# Allegro board gps_interface_boardv47ph.brd (continued)
## Routing (per net, layer and track width the routed paths; a pad name or vN(x,y) marks a point on that pad's centre or on a via; arc(x,y) is an arc through that point) (continued)
N224436: length 152.2
  TOP w0.203: v1(208.61,121.97) 208.67,121.97 208.87,121.77 J19.8 ; v1(210.95,31.17) 213.44,28.68 213.44,16.41 214.65,15.19 U53.19
  SIG w0.165: v1(208.61,121.97) 208.61,122.1 209.27,122.76 212.34,122.76 212.85,122.25 212.85,121.34 213.11,121.08 219.28,121.08 220.09,120.27 220.09,112.42 218.82,111.15 205.54,111.15 201.22,106.83 201.22,104.72 202.62,103.33 202.62,100.94 201.55,99.87 201.55,84.94 v1(199.82,83.21) 199.82,72.06 210.95,60.93 210.95,44.32 209.68,43.05 209.68,37.19 210.95,35.92 v1(210.95,31.17)
  BOTTOM w0.165: v1(199.82,83.21) 203.16,83.21 203.33,83.04 U36.2
  BOTTOM w0.203: R188.2 208.74,122.1 v1(208.61,121.97)
N224464: length 213.7
  TOP w0.203: J20.2 v1(191.37,122.03) ; v1(207.42,31.17) 209.93,28.65 209.93,18.44 207.21,15.72 U52.7
  SIG w0.165: v1(191.37,122.03) 192.87,122.03 193.68,122.83 196.98,122.83 201.7,127.56 204.11,127.56 206.5,125.17 214.58,125.17 216.61,123.14 222.63,123.14 227.03,118.75 227.03,88.57 213.54,75.08 213.54,31.09 211.71,29.26 209.32,29.26 v1(207.42,31.17)
  BOTTOM w0.165: U40.1 180.07,86.83 191.44,98.2 191.44,111.89 194.77,115.21 194.77,120.98 193.72,122.03 v1(191.37,122.03)
  BOTTOM w0.203: v1(191.37,122.03) 191.37,123.01 R208.2
N224468: length 224.5
  TOP w0.203: J20.8 186.57,121.77 186.37,121.97 v1(186.31,121.97) ; v1(208.56,31.17) 211.07,28.65 211.07,18.31 207.8,15.04 206.32,15.04 206.29,15.07 U52.6
  SIG w0.165: v1(208.56,31.17) 210.03,29.69 211.43,29.69 213.16,31.42 213.16,75.31 226.59,88.75 226.59,118.57 222.45,122.71 216.43,122.71 214.4,124.74 206.32,124.74 203.94,127.13 201.88,127.13 197.16,122.4 193.85,122.4 192.38,120.93 191.16,120.93 190.58,121.51 190.58,122.22 189.87,122.94 186.94,122.94 186.31,122.3 v1(186.31,121.97)
  BOTTOM w0.165: U40.2 181.03,80.8 180.34,80.11 179.37,80.11 178.58,80.91 178.58,86.07 189.69,97.18 189.69,105.79 186.16,109.32 186.16,111.91 182.78,115.29 182.78,117.53 186.31,121.06 v1(186.31,121.97)
  BOTTOM w0.203: v1(186.31,121.97) 186.44,122.1 R209.2
N224492: length 253.2
  TOP w0.203: U52.11 206.84,18.32 207.95,19.43 207.95,28.35 v1(205.18,31.11) ; J21.2 v1(169.25,122.03)
  SIG w0.165: v1(205.18,31.11) 208.05,28.24 212.01,28.24 214.38,30.61 214.38,74.68 227.89,88.19 227.89,127.13 225.7,129.31 171.32,129.31 170.05,128.04 170.05,123.39 169.25,122.59 v1(169.25,122.03)
  BOTTOM w0.165: v1(169.25,122.03) 171.87,122.03 172.62,121.28 172.62,114.99 169.67,112.04 169.67,106.53 168.35,105.21 168.35,98.76 166.12,96.52 158.34,96.52 155.83,94.01 155.83,91.03 157.95,88.91 U44.1
  BOTTOM w0.203: R229.2 169.25,123.01 v1(169.25,122.03)
N224496: length 258.4
  TOP w0.203: J21.8 164.45,121.77 164.25,121.97 v1(164.19,121.97) ; U52.10 207.37,17.67 209.09,19.39 209.09,28.4 v1(206.32,31.17)
  SIG w0.165: v1(164.19,121.97) 164.19,121.46 164.8,120.85 169.77,120.85 170.76,121.84 170.76,127.89 171.75,128.88 225.27,128.88 227.48,126.67 227.48,88.34 213.92,74.78 213.92,30.68 212.01,28.78 208.71,28.78 v1(206.32,31.17)
  BOTTOM w0.165: v1(164.19,121.97) 164.19,120.62 160.71,117.14 160.71,115.39 164.92,111.18 164.92,100.25 161.65,96.98 156.62,96.98 154.94,95.3 154.94,90.17 156.59,88.52 156.59,80.8 157.1,80.29 158.04,80.29 158.9,81.15 U44.2
  BOTTOM w0.203: v1(164.19,121.97) 164.31,122.1 R230.2
N245271: length 3.5
  TOP w0.305: v1(21.96,76.13) 20.95,76.13 20.94,76.12 D5.2
  BOTTOM w0.305: Q4.2 v1(21.96,76.13)
N245311: length 7.2
  TOP w0.305: D5.1 v1(18.61,78.12)
  BOTTOM w0.305: v1(18.61,78.12) 20.82,78.12 21.21,78.51 R51.1
N245859: length 7.3
  TOP w0.305: D4.2 v1(9.09,33.05)
  BOTTOM w0.305: v1(9.09,33.05) 9.09,29.57 8.27,28.74 Q3.2
N245899: length 1.7
  TOP w0.165: D4.1 12.31,31.37 R44.1
N246142: length 3.3
  TOP w0.305: D6.2 52.33,103.66 52.34,103.67 v1(53.35,103.67)
  BOTTOM w0.305: Q5.2 v1(53.35,103.67)
N246182: length 6.9
  TOP w0.305: D6.1 v1(50,105.52)
  BOTTOM w0.305: R57.1 50.62,106.15 v1(50,105.52)
N266416: length 137
  TOP w0.203: v1(220.07,30.56) 220.07,19.25 220.87,18.44 U53.11 ; J14.2 v1(265.21,122.03)
  SIG w0.165: v1(220.07,30.56) 220.07,33.35 250.73,64.01 250.73,79.19 v1(250.49,79.43) 250.57,79.5 250.57,82.52 253.34,85.29 253.34,97.87 252.25,98.96 252.25,107.77 252.91,108.43 252.91,115.11 257.05,119.25 257.05,121.67 258.32,122.94 262.59,122.94 263.49,122.03 v1(265.21,122.03)
  BOTTOM w0.165: v1(250.49,79.43) 252.73,81.66 U28.1
  BOTTOM w0.203: v1(265.21,122.03) 265.21,123.01 R145.2
N266420: length 134.3
  TOP w0.203: v1(260.15,121.97) 260.21,121.97 260.41,121.77 J14.8 ; U53.10 220.1,17.79 218.92,18.97 v1(218.92,30.56)
  SIG w0.165: v1(260.15,121.97) 260.15,120.93 258.42,119.2 257.84,119.2 253.5,114.87 253.5,108.19 252.84,107.53 252.84,99.2 253.93,98.11 253.93,85.05 251.61,82.73 v1(251.61,79.35) 251.54,79.27 251.54,63.68 220.98,33.12 220.98,30.28 220.47,29.77 219.71,29.77 v1(218.92,30.56)
  BOTTOM w0.165: U28.2 254.84,80.95 254.36,80.47 252.73,80.47 v1(251.61,79.35)
  BOTTOM w0.203: R146.2 260.27,122.1 v1(260.15,121.97)
N279924: length 0.9
  TOP w0.165: U12.2 46.52,64.04 46.56,64.01 ; U12.19 44.77,62.29 44.78,62.28
N280018: length 3.6
  TOP w0.305: D7.2 52.25,70.18 52.27,70.16 v1(53.6,70.16)
  BOTTOM w0.305: Q6.2 v1(53.6,70.16)
N280022: length 10.3
  TOP w0.305: D7.1 v1(47.85,70.18)
  BOTTOM w0.305: v1(47.85,70.18) 49.43,71.75 51.51,71.75 52.7,72.95 R62.1
N304882: length 5.1
  TOP w0.203: U6.2 9.88,42.81 8.76,41.69 v1(8.76,40.56)
  BOTTOM w0.203: C17.1 v1(8.76,40.56)
N322365: length 2.9
  TOP w0.17: v1(46.94,84.3) 46.94,83.96 46.53,83.55 U9.5
  BOTTOM w0.17: v1(46.94,84.3) 46.94,83.82 47.22,83.54 R70.1
N322369: length 2
  TOP w0.17: v1(44.98,85.37) 44.75,85.13 U9.7
  BOTTOM w0.17: R112.1 44.98,85.91 v1(44.98,85.37)
N322373: length 1.8
  TOP w0.17: U9.9 43.75,85.48 v1(43.79,85.52)
  BOTTOM w0.17: v1(43.79,85.52) 43.76,85.55 R113.1
N323562: length 2.6
  TOP w0.17: U11.5 46.39,98.41 46.84,98.86 v1(46.84,99.19)
  BOTTOM w0.17: v1(46.84,99.19) 47.07,99.19 R114.1
N323566: length 3
  TOP w0.17: U11.6 45.22,99.45 45.97,100.2 v1(46.15,100.2)
  BOTTOM w0.17: v1(46.15,100.2) 46.15,100.64 45.75,101.04 R115.1
N323570: length 2.5
  TOP w0.17: v1(44.98,100.38) 44.96,100.38 44.72,100.14 U11.7
  BOTTOM w0.17: v1(44.98,100.38) 44.98,101.28 R118.1
N323574: length 2.6
  TOP w0.17: U11.9 43.72,100.17 v1(43.38,100.51)
  BOTTOM w0.17: R255.1 43.38,101.2 v1(43.38,100.51)
N323578: length 2.9
  TOP w0.17: U11.10 43.22,99.5 42.57,100.15 v1(42.39,100.15)
  BOTTOM w0.17: R256.1 42.7,101.04 42.54,100.88 42.54,100.3 v1(42.39,100.15)
N323582: length 1.9
  TOP w0.17: U11.11 v1(41.59,98.41)
  BOTTOM w0.17: v1(41.59,98.41) 41.03,98.41 41.02,98.4 R257.1
N325169: length 2.9
  TOP w0.17: v1(46.13,67.41) 45.92,67.41 45.27,66.76 U12.6
  BOTTOM w0.165: R259.1 45.8,68.15 45.82,68.13 45.82,67.72 v1(46.13,67.41)
N325173: length 2.5
  TOP w0.17: v1(45.09,67.64) 44.77,67.33 U12.7
  BOTTOM w0.17: R260.1 44.78,67.94 v1(45.09,67.64)
N325177: length 2.3
  TOP w0.17: U12.9 v1(43.77,67.59)
  BOTTOM w0.17: v1(43.77,67.59) 43.77,68.14 43.76,68.15 R261.1
N325181: length 2.5
  TOP w0.17: v1(42.72,67.56) 43.27,67.01 U12.10
  BOTTOM w0.17: v1(42.72,67.56) 42.72,68.13 42.75,68.15 R262.1
N325185: length 1.9
  TOP w0.17: U12.11 v1(41.6,65.54)
  BOTTOM w0.17: R263.1 41.04,65.58 41.09,65.54 v1(41.6,65.54)
N325191: length 3
  TOP w0.17: v1(46.86,66.45) 46.86,66.21 46.19,65.54 U12.5
  BOTTOM w0.17: v1(46.86,66.45) 46.86,65.94 47.27,65.53 R258.1
N339027: length 12.9
  TOP w0.305: D2.2 106.3,70.82 106.69,70.42 v1(106.69,69.71)
  BOTTOM w0.305: v1(106.69,69.71) R32.1 106.69,62.78 106.09,62.17 Q1.2
N339674: length 5.9
  TOP w0.305: D1.1 102.49,68.5 v1(102.21,68.22)
  BOTTOM w0.305: R32.2 R33.1 102.21,67.07 v1(102.21,68.22)
N339693: length 3.1
  TOP w0.305: D2.1 v1(102.21,70.82)
  BOTTOM w0.305: R34.1 102.2,70.12 102.21,70.13 v1(102.21,70.82)
N350589: length 2.1
  BOTTOM w0.203: J15.1 300.41,19.43 300.41,19.42 R110.1
N350593: length 2.1
  BOTTOM w0.203: R111.1 300.45,24.37 300.43,24.38 J16.1
N351209: length 153.6
  TOP w0.203: U53.7 224.94,15.84 226.01,16.92 v1(226.01,30.56) ; J13.2 v1(287.28,122.08)
  SIG w0.165: v1(287.28,122.08) 285.56,122.08 284.81,122.83 280.64,122.83 279.32,121.51 279.32,119.96 274.68,115.32 274.68,99.21 276.05,97.84 276.05,82.8 v1(272.57,79.32) 271.78,78.54 271.78,70.31 263.04,61.57 253.87,61.57 226.01,33.71 v1(226.01,30.56)
  BOTTOM w0.165: U24.1 274.8,81.56 v1(272.57,79.32)
  BOTTOM w0.203: R124.2 287.28,123.01 v1(287.28,122.08)
N351234: length 148.9
  TOP w0.203: v1(227.13,30.56) 227.13,16.43 225.89,15.19 U53.6 ; J13.8 282.48,121.82 282.28,122.02 v1(282.22,122.02)
  SIG w0.165: v1(282.22,122.02) 282.22,120.83 280.52,119.13 279.86,119.13 275.21,114.48 275.21,99.29 276.86,97.64 276.86,82.42 v1(273.69,79.25) 272.9,78.46 272.9,69.85 263.5,60.45 254.33,60.45 227.13,33.25 v1(227.13,30.56)
  BOTTOM w0.165: v1(273.69,79.25) 274.8,80.37 276.43,80.37 276.91,80.85 U24.2
  BOTTOM w0.203: v1(282.22,122.02) 282.35,122.15 R125.2 282.35,123.07
N352210: length 2.4
  BOTTOM w0.203: J11.1 271.72,19.43 271.7,19.45 R106.1
N352214: length 2.4
  BOTTOM w0.305: R107.1 271.7,24.37 271.72,24.38 J12.1
N361011: length 268.2
  TOP w0.17: v1(120.24,126.59) 120.24,123.49 120.85,122.89 U105.2
  TOP w0.203: v1(229.31,30.56) 229.31,16.43 226.77,13.89 U53.4 ; v1(134.95,121.97) 135.01,121.97 135.21,121.77 J30.8
  SIG w0.17: v1(229.31,30.56) 227.58,28.83 216.1,28.83 214.76,30.17 214.76,74.37 228.3,87.91 228.3,127.63 226.19,129.74 162.03,129.74 161.16,128.88 143.36,128.88 141.68,127.2 141.68,122 140.36,120.68 135.79,120.68 134.95,121.51 v1(134.95,121.97) 134.39,121.97 133.32,123.04 133.32,123.72 130.48,126.57 121.79,126.57 121.77,126.59 v1(120.24,126.59)
  BOTTOM w0.203: v1(134.95,121.97) 135.08,122.1 R2677.2
N361478: length 266.4
  TOP w0.17: U105.1 v1(121.72,129.49)
  TOP w0.203: U53.5 226.35,14.54 228.22,16.41 v1(228.22,30.56) ; J30.2 v1(140.01,122.03)
  SIG w0.17: v1(228.22,30.56) 226.92,29.26 216.28,29.26 215.19,30.35 215.19,74.19 228.73,87.73 228.73,127.81 226.34,130.2 161.87,130.2 160.99,129.31 143.1,129.31 141.1,127.3 141.1,122.94 140.19,122.03 v1(140.01,122.03) 140.01,124.58 139.29,125.3 137.11,125.3 136.35,126.06 136.35,127.84 134.67,129.51 123.6,129.51 123.57,129.49 v1(121.72,129.49)
  BOTTOM w0.203: v1(140.01,122.03) 140.01,123.01 R2676.2
N361490: length 233
  TOP w0.17: v1(145.44,95.78) 145.44,94.86 U106.1 ; v1(132.18,65.51) 132.18,66.29 134.44,68.56 U104.16
  TOP w0.203: v1(189.76,44.15) 192.87,41.03 222.9,41.03 223.55,40.39 223.55,17.65 223.04,17.14 U53.9
  SIG w0.17: v1(145.44,95.78) 146.58,95.78 148.13,94.23 148.13,70.56 143.08,65.51 v1(132.18,65.51) 127.76,65.51 124.94,68.33 114.45,68.33 110.92,64.8 110.92,53.11 114.33,49.71 148.69,49.71 150.47,51.49 187.15,51.49 189.76,48.87 v1(189.76,44.15)
N361502: length 239.7
  TOP w0.17: U106.2 145.49,93.95 v1(149.4,93.95) ; U104.22 138.29,64.55 v1(139.24,63.6)
  TOP w0.203: U53.8 223.78,16.49 224.69,17.4 224.69,40.72 223.55,41.86 193.83,41.86 v1(191.52,44.17)
  SIG w0.17: v1(149.4,93.95) 148.95,93.5 148.95,64.95 147.6,63.6 v1(139.24,63.6) 126.92,63.6 122.94,67.59 115.57,67.59 111.46,63.47 111.46,53.34 114.33,50.47 148.59,50.47 150.09,51.97 154.79,51.97 155.88,53.06 188.05,53.06 191.52,49.6 v1(191.52,44.17)
N437368: length 14.4
  TOP w0.203: J17.P6 J17.P8 253.97,17.22 J17.P9 253.62,18.49 J17.P7
  BOTTOM w0.203: J17.P9 258.37,18.49 258.43,18.43 R254.2
N437754: length 12.1
  TOP w0.305: J17.P12 245.86,7.16 242.29,7.16 239.6,9.86 R43.2
N437768: length 17.4
  TOP w0.305: J17.P13 256.59,7.24 259.28,7.24 260.78,8.74 260.78,16.21 261.72,17.14 R39.2
N575036: length 5.7
  TOP w0.203: U19.1 91.34,113.89 89.53,115.7 v1(89.53,116.41)
  BOTTOM w0.203: v1(89.53,116.41) 88.87,115.75 R93.1
N575058: length 4.8
  TOP w0.203: v1(89.64,113.41) 89.81,113.24 U19.2
  BOTTOM w0.203: R94.1 89.23,114.38 89.64,113.97 v1(89.64,113.41)
N575080: length 8.1
  TOP w0.203: U19.21 97.26,111.94 v1(96.39,112.8)
  BOTTOM w0.203: R95.1 97.28,111.91 v1(96.39,112.8)
N576735: length 5.6
  TOP w0.203: U17.8 111.33,27.92 v1(110.59,27.18)
  BOTTOM w0.203: R81.1 111.34,29.7 110.59,28.96 v1(110.59,27.18)
N576751: length 4.9
  TOP w0.203: U18.8 107.74,27.42 v1(108.18,26.97)
  BOTTOM w0.203: v1(108.18,26.97) 108.18,28.95 107.74,29.39 R82.1
N635255: length 4.4
  TOP w0.305: v1(99.51,97.37) 100.84,97.37 100.86,97.36 D8.2
  BOTTOM w0.305: Q7.2 v1(99.51,97.37)
N635295: length 4
  TOP w0.305: D8.1 v1(103.19,100.23)
  BOTTOM w0.305: v1(103.19,100.23) 103.19,100.06 103.21,100.04 R37.1
N637994: length 4.9
  TOP w0.203: Q12.2 88.84,11.73 90.47,13.36 90.47,14.51 90.46,14.51 D15.2
N638034: length 4.4
  TOP w0.203: D15.1 v1(87.22,15.21)
  BOTTOM w0.203: v1(87.22,15.21) 87.22,16 88.06,16.84 R80.1
N638123: length 9.1
  TOP w0.203: U15.4 91.6,4.05 91.95,4.39 91.95,10.69 91.61,11.03 Q12.1
N638285: length 5.4
  TOP w0.203: R79.1 85.36,3.99 85.39,3.97 R78.2 86.96,3.97 86.97,3.96 87.2,3.96 87.55,3.61 88.82,3.61 89.26,4.05 U15.3
N638693: length 5
  TOP w0.203: D14.2 85.71,14.54 85.7,14.52 85.7,13.49 83.94,11.72 Q11.2
N638733: length 4.3
  TOP w0.203: v1(84.11,18.24) 84.11,18.23 D14.1
  BOTTOM w0.203: R74.1 v1(84.11,18.24)
N665913: length 2.1
  BOTTOM w0.203: C123.2 262.9,17.52 262.89,17.53 R254.1
N716600: length 2.2
  TOP w0.17: U107.2 138.3,93.76 138.18,93.88 137.92,93.88 137.8,93.76 U107.3
N717829: length 6.8
  TOP w0.203: 137.89,88.06 137.89,88.11 137.82,88.18 137.82,89.21 137.8,89.23 U107.10
  TOP w0.33: v1(138.25,86.98) 137.89,87.34 137.89,88.06
  BOTTOM w0.33: v1(138.25,86.98) 137.81,86.54 137.81,85.08 138.28,84.61 C2748.1
N717833: length 6.8
  TOP w0.203: U107.9 137.3,89.23 137.28,89.21 137.28,88.18 137.21,88.11 137.21,88.06
  TOP w0.33: v1(136.83,86.98) 137.21,87.36 137.21,88.06
  BOTTOM w0.33: C2747.1 136.8,84.61 137.27,85.08 137.27,86.54 v1(136.83,86.98)
N727253: length 10.5
  TOP w0.33: L22.1 185.42,25.63 C2750.1 C2749.1 185.52,21.53 QZ1.1 QZ1.6
N755053: length 5.3
  TOP w0.17: C276.1 101.53,81.41 100.86,81.41 99.54,82.73 99.54,83.72 99.14,84.12 Y1.3
N755062: length 4.2
  TOP w0.17: C277.1 101.43,81.03 100.76,81.03 99.8,81.99 98.78,81.99 Y1.2
N755111: length 8.3
  TOP w0.17: C276.2 103.27,81.33 103.71,81.33 105,80.04 107.72,80.04 108.02,80.33 R1540.1 108.61,80.13 U48.8
N755152: length 8.3
  TOP w0.17: C277.2 103.27,81 103.56,81 104.88,79.68 107.7,79.68 107.94,79.43 R1540.2 108.61,79.63 U48.9
N755804: length 1.9
  TOP w0.17: Y1.6 92.68,79.04 R2670.1
N755834: length 3.3
  TOP w0.17: Y1.5 94.44,81.71 93.29,81.71 92.65,81.07 R1550.2
N755912: length 11.9
  TOP w0.17: Y1.1 98.37,76.41 L19.1 97.15,77.57 92.23,77.57 91.75,78.05 R2670.2 R1550.1
N804236: length 2.1
  TOP w0.17: U100.B1 6.12,19.28 R2640.1
N804492: length 3
  TOP w0.17: U100.A2 3.94,21.06 R2650.1
N808323: length 0.5
  TOP w0.165: 46.56,46 46.52,46.03 U101.2
N808573: length 2.6
  TOP w0.17: v1(46.89,48.31) 46.89,47.98 46.44,47.53 U101.5
  BOTTOM w0.17: v1(46.89,48.31) 47.12,48.31 R2661.1
N808577: length 3
  TOP w0.17: v1(46.2,49.33) 46.03,49.33 45.27,48.57 U101.6
  BOTTOM w0.17: v1(46.2,49.33) 46.2,49.76 45.8,50.17 R2662.1
N808581: length 2.5
  TOP w0.17: v1(45.03,49.5) 45.01,49.5 44.77,49.27 U101.7
  BOTTOM w0.17: R2663.1 45.03,50.4 v1(45.03,49.5)
N808585: length 2.6
  TOP w0.17: U101.9 43.77,49.29 v1(43.43,49.63)
  BOTTOM w0.17: v1(43.43,49.63) 43.43,50.32 R2664.1
N808589: length 2.9
  TOP w0.17: v1(42.44,49.28) 42.62,49.28 43.27,48.62 U101.10
  BOTTOM w0.17: R2665.1 42.75,50.17 42.59,50.01 42.59,49.42 v1(42.44,49.28)
N808593: length 1.9
  TOP w0.17: U101.11 v1(41.64,47.53)
  BOTTOM w0.17: R2666.1 41.07,47.52 41.08,47.53 v1(41.64,47.53)
N811210: length 2.7
  TOP w0.17: U6.11 15.04,44.32 15.44,43.92 15.44,43.12 15.61,42.95 C2711.2
N812156: length 1.1
  TOP w0.17: R2669.1 15.56,69.27 U7.2

## Copper pours and planes (outline as drawn; the poured copper is in the pictures)
12V_FANS on PWR2: 1.52,131.88 10.26,131.88 10.59,131.55 10.59,69.6 4.22,69.6 4.22,65.28 10.59,65.28 10.59,17.68 11.4,16.87 272.14,16.87 272.67,16.33 272.67,2.26 272.06,1.65 1.83,1.65 1.17,2.31 1.17,131.52
12V_FUSE on TOP: 30.73,27.18 61.01,27.18 61.47,26.72 61.47,14.15 61.01,13.69 49.71,13.69 49.71,21.82 49.66,21.77 30.73,21.77
12V_IN on TOP: 49.38,13.5 60.98,13.5 61.48,13 61.48,2 60.48,1 19.15,1 19.15,4.9 37.97,4.9 37.99,4.92 37.99,15.98 37.82,16.15 37.8,16.13 28.04,16.13 27.99,16.18 27.99,21.51 49.38,21.51
GND_IN on TOP: 19.15,27.18 30.2,27.18 30.2,21.77 27.64,21.77 27.64,15.93 37.21,15.93 37.24,15.9 37.24,10.41 19.15,10.41
GND_POWER on TOP (solid shape): 45.29,63.53 44.48,63.53 44.48,63.19 44.35,63.07 44.35,60.07 44.48,59.95 44.48,59.92 44.55,59.84 52.27,59.84 52.4,59.72 52.4,56.74 35.99,56.74 35.99,59.79 36.04,59.84 43.94,59.84 43.97,59.85 44.19,60.07 44.19,63.07 44.02,63.24 44.02,63.24 44.02,63.53 43.26,63.53 43.26,65.56 45.29,65.56
GND_POWER on TOP (solid shape): 13.84,68.76 13.03,68.76 13.03,68.43 12.91,68.3 12.91,65.3 13.03,65.18 13.03,65.15 13.11,65.07 20.83,65.07 20.95,64.95 20.95,59.89 20.83,59.77 4.7,59.77 4.55,59.92 4.55,65.02 4.6,65.07 12.5,65.07 12.52,65.08 12.75,65.3 12.75,68.3 12.58,68.47 12.57,68.47 12.57,68.76 11.81,68.76 11.81,70.79 13.84,70.79
GND_POWER on TOP (solid shape): 20.9,74.5 20.9,72.49 20.87,72.48 20.76,72.42 20.66,72.34 13.13,72.34 13.06,72.26 13.06,72.05 12.97,72.05 12.97,71.44 12.98,71.4 12.99,71.35 12.97,71.26 12.89,71.22 12.76,71.22 12.68,71.26 12.67,71.35 12.68,71.4 12.68,71.44 12.68,72.05 12.6,72.05 12.6,72.26 12.52,72.34 4.62,72.34 4.55,72.42 4.55,74.45 4.65,74.55 20.85,74.55
GND_POWER on TOP (solid shape): 104.22,93.95 104.22,91.08 104.09,90.96 100.03,90.96 99.96,91.03 99.86,91.05 99.06,91.05 98.96,91.02 98.88,90.94 98.86,90.91 98.86,89.97 98.78,89.97 98.73,89.92 98.73,87.93 93.6,87.93 93.52,88.01 93.52,88.88 96.95,88.88 97.15,89.08 97.15,90.02 97.07,90.1 97.07,90.2 97.06,90.26 97.03,90.32 97.02,90.35 97.03,90.38 97.06,90.44 97.07,90.5 97.07,90.82 97.1,90.85 97.1,92.46 96.9,92.66 93.52,92.66 93.52,93.98 93.62,94.08 104.09,94.08
GND_POWER on TOP: 56.57,83.44 60.73,83.44 60.93,83.24 60.93,78.23 60.71,78 56.64,78 56.39,78.26 56.39,83.26
GND_POWER on TOP: 43.23,83.57 45.26,83.57 45.26,81.53 44.45,81.53 44.45,77.93 44.53,77.85 52.25,77.85 52.37,77.72 52.37,72.67 52.25,72.54 36.12,72.54 35.97,72.69 35.97,77.8 36.02,77.85 43.92,77.85 43.99,77.93 43.99,81.53 43.23,81.53
GND_POWER on TOP: 1.22,34.54 25.76,34.54 25.76,57.15 1.22,57.15
GND_POWER on TOP: 56.36,93.45 56.36,98.45 56.54,98.63 62.92,98.63 63.17,98.37 63.17,93.34 63.02,93.19 56.62,93.19
GND_POWER on TOP: 44.04,49.02 44.04,48.03 44.09,47.98 44.45,47.98 44.5,48.03 44.5,49.02 44.58,49.1 52.3,49.1 52.35,49.15 52.35,51.26 52.3,51.31 36.09,51.31 35.99,51.21 35.99,49.17 36.07,49.1 43.97,49.1
GND_POWER on TOP: 43.13,98.5 45.31,98.5 45.31,96.32 44.42,96.32 44.42,92.79 44.5,92.71 52.22,92.71 52.35,92.58 52.35,85.19 52.27,85.12 44.55,85.12 44.48,85.04 44.48,84.05 44.42,84 44.07,84 44.02,84.05 44.02,85.04 43.94,85.12 36.04,85.12 35.97,85.19 35.97,85.22 35.94,85.24 35.94,92.66 35.99,92.71 43.89,92.71 43.97,92.79 43.97,96.32 43.13,96.32
GND_POWER on TOP: 53.19,70.21 65.3,70.21 65.53,69.98 65.53,67.23 65.41,67.11 44.58,67.11 44.5,67.03 44.5,66.04 44.45,65.99 44.09,65.99 44.04,66.04 44.04,67.03 43.97,67.11 36.07,67.11 35.99,67.18 35.99,69.22 36.09,69.32 52.3,69.32
GND_POWER on TOP: 19.56,33.15 30.2,33.15 30.2,27.41 19.15,27.41 19.15,32.74
GND_POWER on TOP: 14.78,21.49 18.9,21.49 18.9,18.77 14.78,18.77
GND_POWER on TOP: 43.99,99.9 43.99,98.91 44.04,98.86 44.4,98.86 44.45,98.91 44.45,99.9 44.53,99.97 52.25,99.97 52.3,100.03 52.3,102.13 52.25,102.18 36.04,102.18 35.94,102.08 35.94,100.05 36.02,99.97 43.92,99.97
GND_POWER on TOP: 43.18,47.62 45.36,47.62 45.36,45.44 44.48,45.44 44.48,41.91 44.55,41.83 52.27,41.83 52.4,41.71 52.4,39.6 35.99,39.6 35.99,41.78 36.04,41.83 43.94,41.83 44.02,41.91 44.02,45.44 43.18,45.44
GND_POWER on GND1: 1.85,150.47 302.92,150.47 302.92,2 1.85,2
GND_POWER on GND2: 302.92,1.98 1.98,1.98 1.98,150.47 302.92,150.47 ; 1 cut-out
GND_POWER on GND3: 2,150.47 302.92,150.47 302.92,2 2,2 ; 1 cut-out
VCC2V5 on TOP (solid shape): 96.85,92.35 96.85,91.05 96.07,91.05 95.98,91.03 95.91,90.98 95.02,90.98 95.01,90.98 94.91,91 94.82,91.01 94.67,90.99 94.54,90.94 94.53,90.93 94.28,90.93 94.26,90.91 94.26,90.6 94.26,90.59 94.23,90.42 94.26,90.26 94.26,90.25 94.26,90.02 94.28,89.99 94.42,89.99 94.44,89.98 94.62,89.88 94.82,89.84 95.03,89.88 95.21,89.99 95.87,89.99 95.87,89.85 95.92,89.71 96.07,89.65 96.89,89.65 96.89,89.17 96.85,89.13 93.57,89.13 93.52,89.18 93.52,92.35 93.57,92.41 96.8,92.41
VCC2V5 on TOP: 52.78,66.7 65.35,66.7 65.53,66.52 65.53,60.22 65.38,60.07 52.6,60.07 52.45,60.22 52.45,66.37
VCC2V5 on PWR2: 32.26,129.18 155.02,129.18 155.5,128.7 155.5,98.83 155.91,98.42 293.67,98.42 293.67,48.49 293.24,48.06 267.03,48.06 266.75,47.78 266.75,29.97 267.16,29.57 293.55,29.57 293.67,29.44 293.67,18.14 293.5,17.96 31.88,17.96 31.88,128.8 ; 1 cut-out
VCC3V3 on TOP: 56.46,92.35 62.94,92.35 63.17,92.13 63.17,84.53 62.99,84.35 56.64,84.35 56.39,84.61 56.39,92.28
VCC3V3 on PWR1: 45.52,88.54 1.57,88.54 1.22,88.9 1.22,149.78 2.41,150.98 302.49,150.98 303.1,150.37 303.1,2.03 302.59,1.52 46.38,1.52 45.85,2.06 45.85,88.21 ; 1 cut-out
VCC5V on TOP (solid shape): 27.79,70.87 27.79,65.41 27.68,65.3 23.48,65.3 23.11,65.43 22.75,65.3 21.18,65.3 21.18,71.02 27.64,71.02
VCC5V on PWR2: 147.83,150.9 147.96,151.03 148.01,150.98 300.51,150.98 300.53,151 302.49,151 303.15,150.34 303.15,2.51 302.34,1.7 274.12,1.7 273.41,2.41 273.41,16.66 273.99,17.25 293.8,17.25 294.34,17.78 294.34,29.46 293.8,30 268.3,30 267.49,30.81 267.49,46.89 268.05,47.45 293.4,47.45 293.42,47.42 294.89,47.42 295.4,47.93 295.4,119.3 157.12,119.3 156.84,119.58 156.84,128.78 155.98,129.64 31.67,129.64 31.62,129.69 31.29,129.36 31.29,66.04 16.21,66.04 16.21,71.04 11.66,71.04 11.66,131.85 11.1,132.41 1.22,132.41 1.22,150.47 1.65,150.9
VCCR_SFP INTERFACE_SFP1 on PWR2: 275.11,118.75 284.45,118.75 284.66,118.54 284.66,98.83 284.48,98.65 275.11,98.65 274.9,98.86 274.9,118.54
VCCR_SFP INTERFACE_SFP2 on PWR2: 252.98,118.75 262.33,118.75 262.53,118.54 262.53,98.86 262.36,98.68 252.98,98.68 252.78,98.88 252.78,118.54
VCCR_SFP INTERFACE_SFP3 on PWR2: 230.68,118.72 240.03,118.72 240.23,118.52 240.23,98.86 240.06,98.68 230.68,98.68 230.48,98.88 230.48,118.52
VCCR_SFP INTERFACE_SFP4 on PWR2: 201.5,118.72 210.85,118.72 211.05,118.52 211.05,98.88 210.87,98.7 201.5,98.7 201.29,98.91 201.29,118.52
VCCR_SFP INTERFACE_SFP5 on PWR2: 179.25,118.72 188.59,118.72 188.8,118.52 188.8,113.84 188.82,113.82 188.82,98.88 188.65,98.7 179.27,98.7 179.07,98.91 179.07,113.64 179.04,113.67 179.04,118.52
VCCR_SFP INTERFACE_SFP6 on PWR2: 157.05,118.72 166.4,118.72 166.6,118.52 166.6,98.86 166.42,98.68 157.05,98.68 156.84,98.88 156.84,118.52
VCCT_SFP INTERFACE_SFP1 on PWR2: 285.04,118.75 294.39,118.75 294.59,118.54 294.59,98.83 294.41,98.65 285.04,98.65 284.84,98.86 284.84,118.54
VCCT_SFP INTERFACE_SFP2 on PWR2: 262.99,118.75 272.34,118.75 272.54,118.54 272.54,98.86 272.36,98.68 262.99,98.68 262.79,98.88 262.79,118.54
VCCT_SFP INTERFACE_SFP3 on PWR2: 240.69,118.69 250.04,118.69 250.24,118.49 250.24,98.86 250.06,98.68 240.69,98.68 240.49,98.88 240.49,118.49
VCCT_SFP INTERFACE_SFP4 on PWR2: 211.51,118.72 220.85,118.72 221.06,118.52 221.06,98.88 220.88,98.7 211.51,98.7 211.3,98.91 211.3,118.52
VCCT_SFP INTERFACE_SFP5 on PWR2: 189.26,118.72 198.6,118.72 198.81,118.52 198.81,98.88 198.63,98.7 189.26,98.7 189.05,98.91 189.05,118.52
VCCT_SFP INTERFACE_SFP6 on PWR2: 167.06,118.72 176.4,118.72 176.61,118.52 176.61,98.86 176.43,98.68 167.06,98.68 166.85,98.88 166.85,118.52
VDD_FILT on TOP: 99.77,90.86 105.41,90.86 105.49,90.78 105.49,89.26 105.36,89.13 98.91,89.13 98.86,89.18 98.86,89.81 98.91,89.87 99.72,89.87 99.72,90.81
VDD_FILT on PWR2: 97.21,94.39 109.09,94.39 109.42,94.06 109.42,85.78 109.8,85.39 119.63,85.39 119.84,85.19 119.84,74.45 119.61,74.22 104.24,74.22 104.04,74.42 104.04,76.45 105.94,78.36 109.52,78.36 109.8,78.64 111.38,78.64 111.56,78.82 111.56,80.77 111.2,81.13 109.86,81.13 109.47,81.51 105.89,81.51 101.24,86.16 96.93,86.16 96.93,94.11
(no net) on TOP: 18.03,71.02 20.83,71.02 20.93,70.92 20.93,65.46 20.8,65.33 13.23,65.33 13.16,65.41 13.16,68.2 13.18,68.22 14.35,68.22 14.38,68.25 14.38,69.42 14.4,69.44 17.81,69.44 17.96,69.6 17.96,70.94
(no net) on TOP: 11.81,70.79 13.84,70.79 13.84,68.76 13.03,68.76 13.03,65.15 13.11,65.07 20.83,65.07 20.95,64.95 20.95,59.89 20.83,59.77 4.7,59.77 4.55,59.92 4.55,65.02 4.6,65.07 12.5,65.07 12.57,65.15 12.57,68.76 11.81,68.76
(no net) on TOP: 96.85,89.13 93.57,89.13 93.52,89.18 93.52,92.35 93.57,92.41 96.8,92.41 96.85,92.35 96.85,90.96 96.82,90.93 94.28,90.93 94.26,90.91 94.26,90.02 94.28,89.99 96.82,89.99 96.9,89.92 96.9,89.18
(no net) on TOP: 4.6,69.44 11.23,69.44 11.28,69.39 11.28,68.3 11.35,68.22 12.47,68.22 12.5,68.2 12.5,65.41 12.42,65.33 4.6,65.33 4.55,65.38 4.55,69.39
(no net) on TOP: 36.04,64.21 42.67,64.21 42.72,64.16 42.72,63.07 42.8,62.99 43.92,62.99 43.94,62.97 43.94,60.17 43.87,60.1 36.04,60.1 35.99,60.15 35.99,64.16
(no net) on TOP: 21.01,70.87 21.01,65.46 21.16,65.3 27.69,65.3 27.79,65.41 27.79,70.87 27.64,71.02 21.16,71.02
(no net) on TOP: 12.6,72.26 12.6,71.27 12.65,71.22 13,71.22 13.06,71.27 13.06,72.26 13.13,72.34 20.85,72.34 20.9,72.39 20.9,74.5 20.85,74.55 4.65,74.55 4.55,74.45 4.55,72.42 4.62,72.34 12.52,72.34
(no net) on TOP: 52.37,62.46 52.37,60.22 52.25,60.1 44.68,60.1 44.6,60.17 44.6,62.97 44.63,62.99 45.8,62.99 45.82,63.02 45.82,64.19 45.85,64.21 49.25,64.21 49.26,64.22 49.26,62.46
(no net) on TOP: 98.73,87.93 93.6,87.93 93.52,88.01 93.52,88.98 93.57,89.03 96.93,89.03 96.98,89.08 96.98,92.51 96.9,92.58 93.52,92.58 93.52,93.98 93.62,94.08 104.09,94.08 104.22,93.95 104.22,91.08 104.09,90.96 98.91,90.96 98.86,90.91 98.86,89.99 98.88,89.97 98.78,89.97 98.73,89.92
(no net) on TOP: 43.26,65.56 45.29,65.56 45.29,63.53 44.48,63.53 44.48,59.92 44.55,59.84 52.27,59.84 52.4,59.72 52.4,56.74 35.99,56.74 35.99,59.79 36.04,59.84 43.94,59.84 44.02,59.92 44.02,63.53 43.26,63.53
Net_72 on GND1: 101.14,85.9 95.28,85.9 94.44,85.06 94.44,73 95.38,72.06 101.12,72.06 103.78,74.73 103.78,76.56 105.84,78.61 109.42,78.61 109.7,78.89 111.15,78.89 111.3,79.04 111.3,80.67 111.1,80.87 109.75,80.87 109.37,81.25 105.79,81.25
VP2V5 on TOP: 52.68,39.6 61.24,39.6 61.24,46.2 52.68,46.2
VP3V3 on TOP: 52.83,98.65 55.88,98.65 56.08,98.45 56.08,78.33 55.85,78.11 52.81,78.11 52.6,78.31 52.6,83.59 52.58,83.62 52.58,93.27 52.6,93.29 52.6,98.42
VP3V5 on TOP (solid shape): 39.71,64.21 40.13,64.03 40.55,64.21 42,64.21 42,64.19 42.61,64.19 42.69,64.2 42.72,64.16 42.72,63.07 42.8,62.99 43.82,62.99 43.89,62.96 43.92,62.89 43.92,62.27 43.94,62.27 43.94,60.17 43.87,60.1 36.04,60.1 35.99,60.15 35.99,64.16 36.04,64.21
VP3V5 on TOP: 36.04,46.2 42.67,46.2 42.72,46.15 42.72,45.06 42.8,44.98 43.92,44.98 43.94,44.96 43.94,42.16 43.87,42.09 36.04,42.09 35.99,42.14 35.99,46.15
VP3V5 on TOP: 21.44,37.9 21.44,53.59 21.64,53.8 27.69,53.8 27.91,53.57 27.91,37.87 27.71,37.67 21.67,37.67
VP3V5 on TOP: 36.02,82.22 42.65,82.22 42.7,82.17 42.7,81.08 42.77,81 43.89,81 43.92,80.98 43.92,78.18 43.84,78.11 36.02,78.11 35.97,78.16 35.97,82.17
VP3V5 on TOP: 35.99,97.08 42.62,97.08 42.67,97.03 42.67,95.94 42.75,95.86 43.87,95.86 43.89,95.83 43.89,93.04 43.81,92.96 35.99,92.96 35.94,93.01 35.94,97.03
VP3V5 on PWR1: 1.68,88.32 44.04,88.32 44.55,87.81 44.55,37.59 43.95,36.99 23.49,36.99 22.49,37.99 22.49,53.45 22.48,53.47 22.48,54.81 21.79,55.5 1.37,55.5 1.22,55.65 1.22,87.86
VP3V5 on PWR2: 16.26,65.33 16.26,22.02 31.22,22.02 31.22,65.33
VP5V on TOP (solid shape): 20.93,70.92 20.93,65.46 20.8,65.33 13.23,65.33 13.16,65.41 13.16,67.5 13.18,67.5 13.18,68.12 13.21,68.19 13.28,68.22 14.35,68.22 14.38,68.25 14.38,68.82 14.41,68.89 14.48,68.92 14.49,68.92 15.17,68.92 15.17,68.87 15.23,68.74 15.37,68.68 15.97,68.68 16.11,68.74 16.17,68.88 16.17,69.44 17.81,69.44 17.96,69.6 17.96,69.71 18,69.79 18.1,69.8 18.22,69.76 18.34,69.75 18.75,69.92 18.93,70.33 18.85,70.62 18.65,70.83 18.61,70.94 18.71,71.01 20.37,71.01 20.42,71 20.47,71 20.53,71 20.59,71.02 20.83,71.02
VP5V5 on TOP (solid shape): 10.55,69.42 11.16,69.42 11.24,69.43 11.28,69.39 11.28,68.3 11.35,68.22 12.37,68.22 12.45,68.19 12.47,68.12 12.47,67.5 12.5,67.5 12.5,65.41 12.42,65.33 4.6,65.33 4.55,65.38 4.55,69.39 4.6,69.44 10.55,69.44
VP5V5 on TOP: 18.9,25.88 14.78,25.88 14.78,22.4 18.9,22.4
VP5V5 on PWR2: 15.57,69.34 15.57,22.2 10.97,22.2 10.97,65.35 10.9,65.35 10.9,65.53 4.47,65.53 4.47,69.34
VP12V on TOP: 12.09,49.05 12.09,47.09 12.04,47.04 10.72,47.04 10.67,47.09 10.67,49.1 10.03,49.73 10.03,52.93 10.26,53.16 12.47,53.16 12.7,52.93 12.7,49.66
VP12V on TOP: 30.73,33.15 43.66,33.15 43.66,27.41 30.73,27.41
VP12V on TOP: 10.67,42.09 10.67,44.04 10.72,44.09 12.04,44.09 12.09,44.04 12.09,42.04 12.73,41.4 12.73,38.2 12.5,37.97 10.29,37.97 10.06,38.2 10.06,41.48
VP12V on PWR1: 3.5,53.99 19.99,53.99 21.49,52.49 21.49,37.99 22.99,36.49 43.98,36.49 44.53,35.94 44.53,25.48 44.5,25.45 44.5,2.01 43.46,0.97 34.39,0.97 34.39,1 9,1 8,2 8,6.5 7,7.5 3,7.5 2,8.5 2,52.49
N140138 on TOP: 14.1,44.68 14.1,46.96 14.17,47.04 15.24,47.04 15.47,47.27 15.47,47.96 15.57,48.06 18.57,48.06 18.75,47.88 18.75,43.69 15.95,43.69 15.95,44.6 14.17,44.6
N146225 on TOP: 49.45,83.79 52.25,83.79 52.35,83.69 52.35,78.23 52.22,78.11 44.65,78.11 44.58,78.18 44.58,80.98 44.6,81 45.77,81 45.8,81.03 45.8,82.19 45.82,82.22 49.23,82.22 49.38,82.37 49.38,83.72
N185241 on TOP: 52.2,97.08 45.8,97.08 45.77,97.05 45.77,95.89 45.75,95.86 44.58,95.86 44.55,95.83 44.55,93.04 44.63,92.96 52.2,92.96 52.32,93.09 52.32,96.95
N279924 on TOP (solid shape): 49.26,62.46 51.05,62.46 51.13,62.41 51.14,62.32 51.13,62.28 51.13,62.24 51.13,60.84 51.19,60.7 51.33,60.64 52.37,60.64 52.37,60.22 52.25,60.1 44.68,60.1 44.6,60.17 44.6,62.27 44.62,62.27 44.62,62.89 44.65,62.96 44.73,62.99 45.8,62.99 45.82,63.02 45.82,64.09 45.85,64.16 45.93,64.19 46.55,64.19 46.55,64.21 49.26,64.21
N808323 on TOP: 52.25,46.2 45.85,46.2 45.82,46.18 45.82,45.01 45.8,44.98 44.63,44.98 44.6,44.96 44.6,42.16 44.68,42.09 52.25,42.09 52.37,42.21 52.37,46.08

## Text on the board
Ref Des/Silkscreen Bottom: LIGHT BAR | LPF-C031-303S | FMC CONN | 5.0V | 3.3V | 2.5V
Ref Des/Silkscreen Top: 5.5V PWR GOOD | FAN +12V | (+) | 5V PWR GOOD | GPS CLOCK | G | VCC5V | SYNC | (-) | 5.5V PWR | 12V MAIN | 3.3V PWR GOOD | 12V FUSE | 2.5V PWR GOOD | PPS | 12V SW | USE 4A FUSE | VCC3V3 | VCC2V5 | IRIG | SCL | FPGA PWR GOOD | 3 | SDA | 2 | 1 | 0 | 1.8V PWR GOOD | INPUT LEVEL | OVERVOLTAGE | FPGA I/O | 3.3V | 5V | CLK LOL | 1.8V | CLOCK GEN OUT | MAIN | 6 | 5 | 4 | RJ45 CM | SPARE RJ45 | LEMO | 5.0V | OUT | IN | SPARE I/O | GND | BNC | 12VDC (4A) | SFP 7 - pls chk | LOS/FAULT | SFP | LOS/LOL | CDR | SFP 6 | SFP 5 | SFP 4 | SFP 3 | SFP 2 | LEMO_1 | LEMO_0 | BNC_0 | BNC_1 | SFP 1 | J Klein | J Sensenig | R Van Berg | G Mayers | GPS INTERFACE BOARD | July 2020 | S Trilov | D Cussans
XSECTION_CHART: *  SURFACE | L1 TOP CONDUCTOR | *  DIELECTRIC | L2 GND1 PLANE | L3 PWR1 CONDUCTOR | L4 GND2 PLANE | L5 SIG CONDUCTOR | L6 PWR2 CONDUCTOR | L7 GND3 PLANE | L8 BOTTOM CONDUCTOR | DESIGN CROSS SECTION CHART | ___________________________ | TOTAL THICKNESS 59.6 MIL | 1-8 | 1-1
BODY_CENTER: FIGURE | FINISHED_SIZE | 10.0 | 11.81 | 33.46 | 35.04 | 37.4 | 38.58 | 39.37 | 40.0 | 41.34 | 50.39 | 64.96 | 66.14 | 79.13 | 106.0 | 51.2 | 61.02 | 131.1 | 130.0x90.0 | ROTATION | - | 90.000 | DRILL CHART: TOP to BOTTOM | ALL UNITS ARE IN MILS | TOLERANCE_DRILL | +0.0/-0.0 | +2.0/-2.0 | +3.0/-3.0 | +10.0/-0.0 | TOLERANCE_TRAVEL | PLATED | NON-PLATED | QTY | 1768 | 30 | 297 | 6 | 8 | 54 | 10 | 73 | 12 | 28 | 60 | 4 | 2 | 11
DISPLAY_BOTTOM: FIGURE | FINISHED_SIZE | 10.0 | ROTATION | - | DRILL CHART: TOP to TOP | ALL UNITS ARE IN MILS | TOLERANCE_DRILL | +5.0/-5.0 | TOLERANCE_TRAVEL | PLATED | QTY | 2
